# KiCad board MQ Breakout.kicad_pcb (continued)
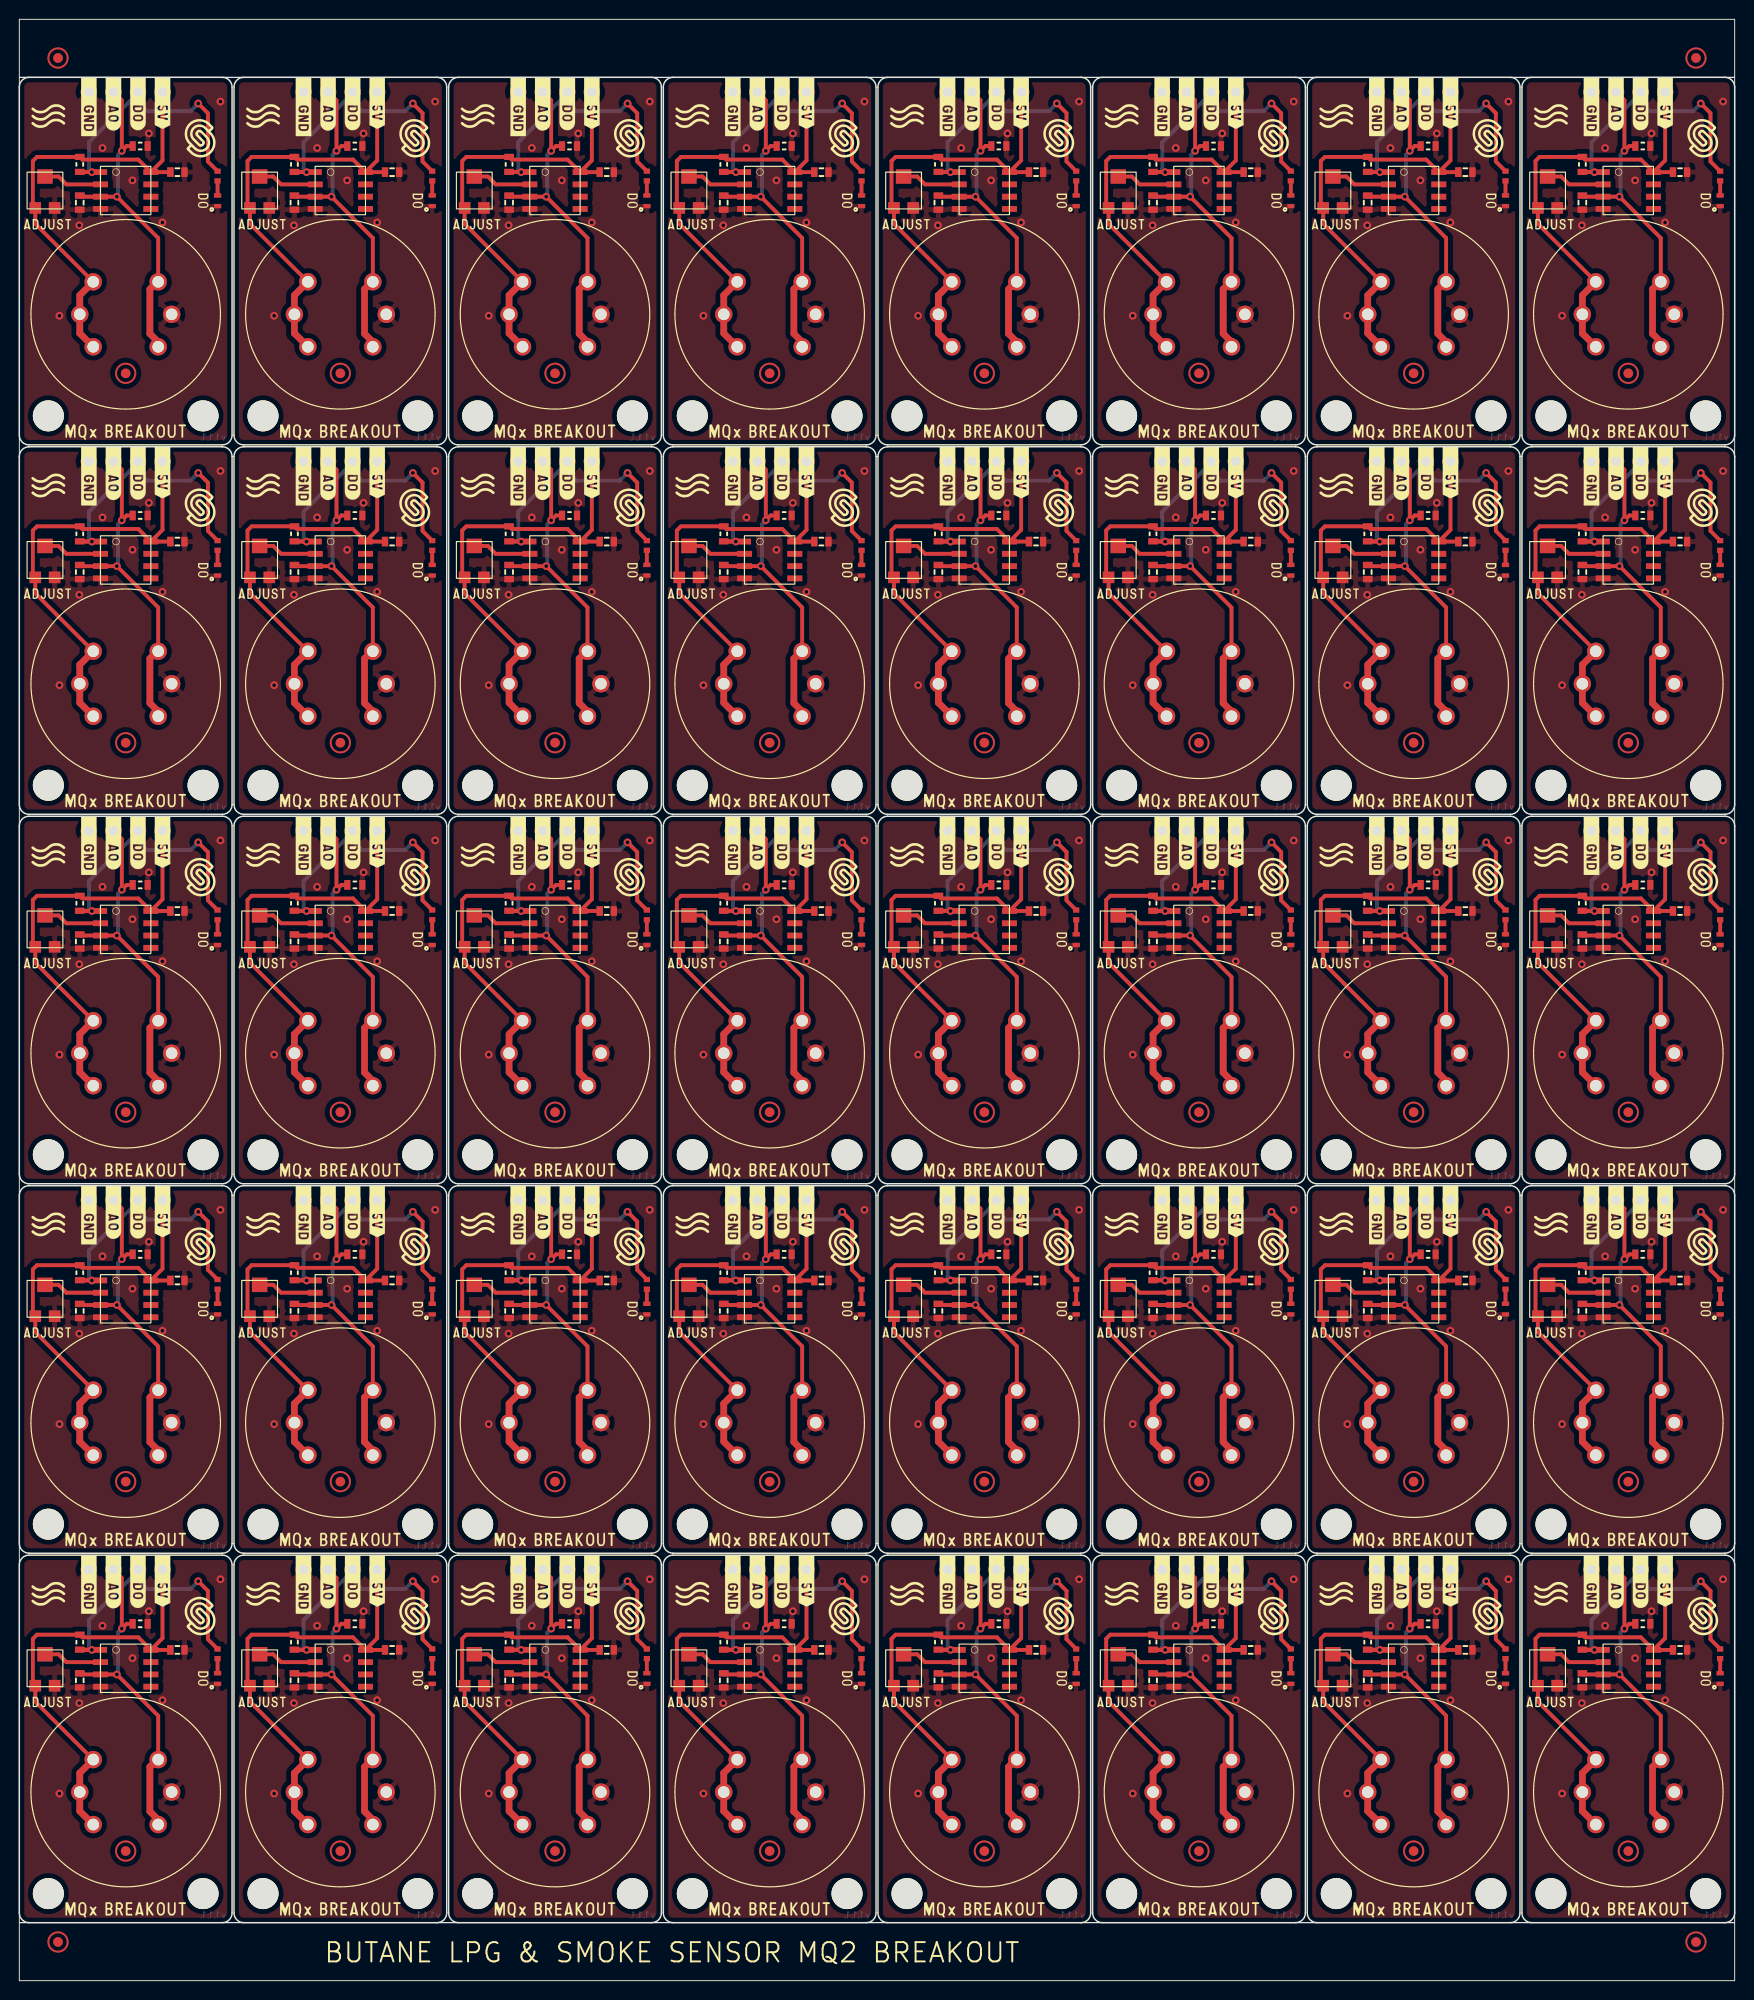
[diagram p0: board, top side]
## Placement (name value [footprint] x y rotation side) (continued)
U1#34  MQ-X  [MQ]  166.4 95.9 0 top
U1#35  MQ-X  [MQ]  11 172.3 0 top
U1#36  MQ-X  [MQ]  77.6 134.1 0 top
U1#37  MQ-X  [MQ]  99.8 134.1 0 top
U1#38  MQ-X  [MQ]  99.8 95.9 0 top
U1#39  MQ-X  [MQ]  144.2 19.5 0 top
U1#40  MQ-X  [MQ]  11 95.9 0 top
U2  LM393  [SOIC−8]  77.6 70.5 0 top
U2#2  LM393  [SOIC−8]  55.4 32.3 0 top
U2#3  LM393  [SOIC−8]  55.4 70.5 0 top
U2#4  LM393  [SOIC−8]  11 146.9 0 top
U2#5  LM393  [SOIC−8]  166.4 108.7 0 top
U2#6  LM393  [SOIC−8]  33.2 185.1 0 top
U2#7  LM393  [SOIC−8]  144.2 70.5 0 top
U2#8  LM393  [SOIC−8]  166.4 146.9 0 top
U2#9  LM393  [SOIC−8]  33.2 146.9 0 top
U2#10  LM393  [SOIC−8]  33.2 32.3 0 top
U2#11  LM393  [SOIC−8]  77.6 32.3 0 top
U2#12  LM393  [SOIC−8]  166.4 70.5 0 top
U2#13  LM393  [SOIC−8]  55.4 185.1 0 top
U2#14  LM393  [SOIC−8]  122 146.9 0 top
U2#15  LM393  [SOIC−8]  77.6 108.7 0 top
U2#16  LM393  [SOIC−8]  144.2 185.1 0 top
U2#17  LM393  [SOIC−8]  122 70.5 0 top
U2#18  LM393  [SOIC−8]  11 185.1 0 top
U2#19  LM393  [SOIC−8]  144.2 108.7 0 top
U2#20  LM393  [SOIC−8]  55.4 146.9 0 top
U2#21  LM393  [SOIC−8]  33.2 70.5 0 top
U2#22  LM393  [SOIC−8]  99.8 146.9 0 top
U2#23  LM393  [SOIC−8]  77.6 146.9 0 top
U2#24  LM393  [SOIC−8]  11 70.5 0 top
U2#25  LM393  [SOIC−8]  144.2 146.9 0 top
U2#26  LM393  [SOIC−8]  122 108.7 0 top
U2#27  LM393  [SOIC−8]  166.4 185.1 0 top
U2#28  LM393  [SOIC−8]  99.8 108.7 0 top
U2#29  LM393  [SOIC−8]  99.8 70.5 0 top
U2#30  LM393  [SOIC−8]  99.8 185.1 0 top
U2#31  LM393  [SOIC−8]  166.4 32.3 0 top
U2#32  LM393  [SOIC−8]  122 32.3 0 top
U2#33  LM393  [SOIC−8]  77.6 185.1 0 top
U2#34  LM393  [SOIC−8]  144.2 32.3 0 top
U2#35  LM393  [SOIC−8]  122 185.1 0 top
U2#36  LM393  [SOIC−8]  99.8 32.3 0 top
U2#37  LM393  [SOIC−8]  33.2 108.7 0 top
U2#38  LM393  [SOIC−8]  11 108.7 0 top
U2#39  LM393  [SOIC−8]  55.4 108.7 0 top
U2#40  LM393  [SOIC−8]  11 32.3 0 top

## Library data of the parts
D1 D1#2-D1#40 = -: Package: 0402

## Footprints (pads in the part's own frame, mm; a bottom-side part is the same pattern mirrored in y, then rotated)
0402LED
  rect 0.45x0.75 smd: 1(-0.55,0) 2(0.55,0)
0402R
  rect 0.54x0.64 smd: 1(-0.5,0) 2(0.5,0)
0603C
  rect 0.66x1 smd: 1(-0.73,0) 2(0.73,0)
0603R
  rect 0.64x1 smd: 1(-0.775,0) 2(0.775,0)
FIDUCIAL_23
  round 1 smd: 1(0,0)
HEADER_MALE_4X1
  round 1.7 hole 1: 1(-3.81,0) 2(-1.27,0) 3(1.27,0) 4(3.81,0)
HOLE_3.2mm
  round 3.2 hole 3.2 unplated: (0,0)
MQ
  round 1.8 hole 1.2: 1(-3.359,3.359) 2(-4.75,0) 3(-3.359,-3.359) 4(3.359,-3.359) 5(4.75,0) 6(3.359,3.359)
SOIC−8
  rect 1.55x0.6 smd: 1(-2.7,1.905) 2(-2.6,0.635) 3(-2.6,-0.635) 4(-2.6,-1.905) 5(2.6,-1.905) 6(2.6,-0.635) 7(2.6,0.635) 8(2.6,1.905)
tc33x-2-103e
  rect 1.2x1.2 smd: 1(-1,-1.8) 3(1,-1.8)
  rect 1.6x1.5 smd: 2(0,1.45)

## Nets
5V: C2.2 C2#2.2 C2#3.2 C2#4.2 C2#5.2 C2#6.2 C2#7.2 C2#8.2 C2#9.2 C2#10.2 C2#11.2 C2#12.2 C2#13.2 C2#14.2 C2#15.2 C2#16.2 C2#17.2 C2#18.2 C2#19.2 C2#20.2 C2#21.2 C2#22.2 C2#23.2 C2#24.2 C2#25.2 C2#26.2 C2#27.2 C2#28.2 C2#29.2 C2#30.2 C2#31.2 C2#32.2 C2#33.2 C2#34.2 C2#35.2 C2#36.2 C2#37.2 C2#38.2 C2#39.2 C2#40.2 K1.4 K1#2.4 K1#3.4 K1#4.4 K1#5.4 K1#6.4 K1#7.4 K1#8.4 K1#9.4 K1#10.4 K1#11.4 K1#12.4 K1#13.4 K1#14.4 K1#15.4 K1#16.4 K1#17.4 K1#18.4 K1#19.4 K1#20.4 K1#21.4 K1#22.4 K1#23.4 K1#24.4 K1#25.4 K1#26.4 K1#27.4 K1#28.4 K1#29.4 K1#30.4 K1#31.4 K1#32.4 K1#33.4 K1#34.4 K1#35.4 K1#36.4 K1#37.4 K1#38.4 K1#39.4 K1#40.4 R2.1 R2#2.1 R2#3.1 R2#4.1 R2#5.1 R2#6.1 R2#7.1 R2#8.1 R2#9.1 R2#10.1 R2#11.1 R2#12.1 R2#13.1 R2#14.1 R2#15.1 R2#16.1 R2#17.1 R2#18.1 R2#19.1 R2#20.1 R2#21.1 R2#22.1 R2#23.1 R2#24.1 R2#25.1 R2#26.1 R2#27.1 R2#28.1 R2#29.1 R2#30.1 R2#31.1 R2#32.1 R2#33.1 R2#34.1 R2#35.1 R2#36.1 R2#37.1 R2#38.1 R2#39.1 R2#40.1 R3.2 R3#2.2 R3#3.2 R3#4.2 R3#5.2 R3#6.2 R3#7.2 R3#8.2 R3#9.2 R3#10.2 R3#11.2 R3#12.2 R3#13.2 R3#14.2 R3#15.2 R3#16.2 R3#17.2 R3#18.2 R3#19.2 R3#20.2 R3#21.2 R3#22.2 R3#23.2 R3#24.2 R3#25.2 R3#26.2 R3#27.2 R3#28.2 R3#29.2 R3#30.2 R3#31.2 R3#32.2 R3#33.2 R3#34.2 R3#35.2 R3#36.2 R3#37.2 R3#38.2 R3#39.2 R3#40.2 U1.1 U1.2 U1.3 U1#2.1 U1#2.2 U1#2.3 U1#3.1 U1#3.2 U1#3.3 U1#4.1 U1#4.2 U1#4.3 U1#5.1 U1#5.2 U1#5.3 U1#6.1 U1#6.2 U1#6.3 U1#7.1 U1#7.2 U1#7.3 U1#8.1 U1#8.2 U1#8.3 U1#9.1 U1#9.2 U1#9.3 U1#10.1 U1#10.2 U1#10.3 U1#11.1 U1#11.2 U1#11.3 U1#12.1 U1#12.2 U1#12.3 U1#13.1 U1#13.2 U1#13.3 U1#14.1 U1#14.2 U1#14.3 U1#15.1 U1#15.2 U1#15.3 U1#16.1 U1#16.2 U1#16.3 U1#17.1 U1#17.2 U1#17.3 U1#18.1 U1#18.2 U1#18.3 U1#19.1 U1#19.2 U1#19.3 U1#20.1 U1#20.2 U1#20.3 U1#21.1 U1#21.2 U1#21.3 U1#22.1 U1#22.2 U1#22.3 U1#23.1 U1#23.2 U1#23.3 U1#24.1 U1#24.2 U1#24.3 U1#25.1 U1#25.2 U1#25.3 U1#26.1 U1#26.2 U1#26.3 U1#27.1 U1#27.2 U1#27.3 U1#28.1 U1#28.2 U1#28.3 U1#29.1 U1#29.2 U1#29.3 U1#30.1 U1#30.2 U1#30.3 U1#31.1 U1#31.2 U1#31.3 U1#32.1 U1#32.2 U1#32.3 U1#33.1 U1#33.2 U1#33.3 U1#34.1 U1#34.2 U1#34.3 U1#35.1 U1#35.2 U1#35.3 U1#36.1 U1#36.2 U1#36.3 U1#37.1 U1#37.2 U1#37.3 U1#38.1 U1#38.2 U1#38.3 U1#39.1 U1#39.2 U1#39.3 U1#40.1 U1#40.2 U1#40.3 U2.8 U2#2.8 U2#3.8 U2#4.8 U2#5.8 U2#6.8 U2#7.8 U2#8.8 U2#9.8 U2#10.8 U2#11.8 U2#12.8 U2#13.8 U2#14.8 U2#15.8 U2#16.8 U2#17.8 U2#18.8 U2#19.8 U2#20.8 U2#21.8 U2#22.8 U2#23.8 U2#24.8 U2#25.8 U2#26.8 U2#27.8 U2#28.8 U2#29.8 U2#30.8 U2#31.8 U2#32.8 U2#33.8 U2#34.8 U2#35.8 U2#36.8 U2#37.8 U2#38.8 U2#39.8 U2#40.8
GND: C1.1 C1#2.1 C1#3.1 C1#4.1 C1#5.1 C1#6.1 C1#7.1 C1#8.1 C1#9.1 C1#10.1 C1#11.1 C1#12.1 C1#13.1 C1#14.1 C1#15.1 C1#16.1 C1#17.1 C1#18.1 C1#19.1 C1#20.1 C1#21.1 C1#22.1 C1#23.1 C1#24.1 C1#25.1 C1#26.1 C1#27.1 C1#28.1 C1#29.1 C1#30.1 C1#31.1 C1#32.1 C1#33.1 C1#34.1 C1#35.1 C1#36.1 C1#37.1 C1#38.1 C1#39.1 C1#40.1 C2.1 C2#2.1 C2#3.1 C2#4.1 C2#5.1 C2#6.1 C2#7.1 C2#8.1 C2#9.1 C2#10.1 C2#11.1 C2#12.1 C2#13.1 C2#14.1 C2#15.1 C2#16.1 C2#17.1 C2#18.1 C2#19.1 C2#20.1 C2#21.1 C2#22.1 C2#23.1 C2#24.1 C2#25.1 C2#26.1 C2#27.1 C2#28.1 C2#29.1 C2#30.1 C2#31.1 C2#32.1 C2#33.1 C2#34.1 C2#35.1 C2#36.1 C2#37.1 C2#38.1 C2#39.1 C2#40.1 D1.2 D1#2.2 D1#3.2 D1#4.2 D1#5.2 D1#6.2 D1#7.2 D1#8.2 D1#9.2 D1#10.2 D1#11.2 D1#12.2 D1#13.2 D1#14.2 D1#15.2 D1#16.2 D1#17.2 D1#18.2 D1#19.2 D1#20.2 D1#21.2 D1#22.2 D1#23.2 D1#24.2 D1#25.2 D1#26.2 D1#27.2 D1#28.2 D1#29.2 D1#30.2 D1#31.2 D1#32.2 D1#33.2 D1#34.2 D1#35.2 D1#36.2 D1#37.2 D1#38.2 D1#39.2 D1#40.2 K1.1 K1#2.1 K1#3.1 K1#4.1 K1#5.1 K1#6.1 K1#7.1 K1#8.1 K1#9.1 K1#10.1 K1#11.1 K1#12.1 K1#13.1 K1#14.1 K1#15.1 K1#16.1 K1#17.1 K1#18.1 K1#19.1 K1#20.1 K1#21.1 K1#22.1 K1#23.1 K1#24.1 K1#25.1 K1#26.1 K1#27.1 K1#28.1 K1#29.1 K1#30.1 K1#31.1 K1#32.1 K1#33.1 K1#34.1 K1#35.1 K1#36.1 K1#37.1 K1#38.1 K1#39.1 K1#40.1 R1.1 R1#2.1 R1#3.1 R1#4.1 R1#5.1 R1#6.1 R1#7.1 R1#8.1 R1#9.1 R1#10.1 R1#11.1 R1#12.1 R1#13.1 R1#14.1 R1#15.1 R1#16.1 R1#17.1 R1#18.1 R1#19.1 R1#20.1 R1#21.1 R1#22.1 R1#23.1 R1#24.1 R1#25.1 R1#26.1 R1#27.1 R1#28.1 R1#29.1 R1#30.1 R1#31.1 R1#32.1 R1#33.1 R1#34.1 R1#35.1 R1#36.1 R1#37.1 R1#38.1 R1#39.1 R1#40.1 R2.3 R2#2.3 R2#3.3 R2#4.3 R2#5.3 R2#6.3 R2#7.3 R2#8.3 R2#9.3 R2#10.3 R2#11.3 R2#12.3 R2#13.3 R2#14.3 R2#15.3 R2#16.3 R2#17.3 R2#18.3 R2#19.3 R2#20.3 R2#21.3 R2#22.3 R2#23.3 R2#24.3 R2#25.3 R2#26.3 R2#27.3 R2#28.3 R2#29.3 R2#30.3 R2#31.3 R2#32.3 R2#33.3 R2#34.3 R2#35.3 R2#36.3 R2#37.3 R2#38.3 R2#39.3 R2#40.3 U1.5 U1#2.5 U1#3.5 U1#4.5 U1#5.5 U1#6.5 U1#7.5 U1#8.5 U1#9.5 U1#10.5 U1#11.5 U1#12.5 U1#13.5 U1#14.5 U1#15.5 U1#16.5 U1#17.5 U1#18.5 U1#19.5 U1#20.5 U1#21.5 U1#22.5 U1#23.5 U1#24.5 U1#25.5 U1#26.5 U1#27.5 U1#28.5 U1#29.5 U1#30.5 U1#31.5 U1#32.5 U1#33.5 U1#34.5 U1#35.5 U1#36.5 U1#37.5 U1#38.5 U1#39.5 U1#40.5 U2.4 U2#2.4 U2#3.4 U2#4.4 U2#5.4 U2#6.4 U2#7.4 U2#8.4 U2#9.4 U2#10.4 U2#11.4 U2#12.4 U2#13.4 U2#14.4 U2#15.4 U2#16.4 U2#17.4 U2#18.4 U2#19.4 U2#20.4 U2#21.4 U2#22.4 U2#23.4 U2#24.4 U2#25.4 U2#26.4 U2#27.4 U2#28.4 U2#29.4 U2#30.4 U2#31.4 U2#32.4 U2#33.4 U2#34.4 U2#35.4 U2#36.4 U2#37.4 U2#38.4 U2#39.4 U2#40.4
AO: C1.2 C1#2.2 C1#3.2 C1#4.2 C1#5.2 C1#6.2 C1#7.2 C1#8.2 C1#9.2 C1#10.2 C1#11.2 C1#12.2 C1#13.2 C1#14.2 C1#15.2 C1#16.2 C1#17.2 C1#18.2 C1#19.2 C1#20.2 C1#21.2 C1#22.2 C1#23.2 C1#24.2 C1#25.2 C1#26.2 C1#27.2 C1#28.2 C1#29.2 C1#30.2 C1#31.2 C1#32.2 C1#33.2 C1#34.2 C1#35.2 C1#36.2 C1#37.2 C1#38.2 C1#39.2 C1#40.2 K1.2 K1#2.2 K1#3.2 K1#4.2 K1#5.2 K1#6.2 K1#7.2 K1#8.2 K1#9.2 K1#10.2 K1#11.2 K1#12.2 K1#13.2 K1#14.2 K1#15.2 K1#16.2 K1#17.2 K1#18.2 K1#19.2 K1#20.2 K1#21.2 K1#22.2 K1#23.2 K1#24.2 K1#25.2 K1#26.2 K1#27.2 K1#28.2 K1#29.2 K1#30.2 K1#31.2 K1#32.2 K1#33.2 K1#34.2 K1#35.2 K1#36.2 K1#37.2 K1#38.2 K1#39.2 K1#40.2 R1.2 R1#2.2 R1#3.2 R1#4.2 R1#5.2 R1#6.2 R1#7.2 R1#8.2 R1#9.2 R1#10.2 R1#11.2 R1#12.2 R1#13.2 R1#14.2 R1#15.2 R1#16.2 R1#17.2 R1#18.2 R1#19.2 R1#20.2 R1#21.2 R1#22.2 R1#23.2 R1#24.2 R1#25.2 R1#26.2 R1#27.2 R1#28.2 R1#29.2 R1#30.2 R1#31.2 R1#32.2 R1#33.2 R1#34.2 R1#35.2 R1#36.2 R1#37.2 R1#38.2 R1#39.2 R1#40.2 U1.4 U1.6 U1#2.4 U1#2.6 U1#3.4 U1#3.6 U1#4.4 U1#4.6 U1#5.4 U1#5.6 U1#6.4 U1#6.6 U1#7.4 U1#7.6 U1#8.4 U1#8.6 U1#9.4 U1#9.6 U1#10.4 U1#10.6 U1#11.4 U1#11.6 U1#12.4 U1#12.6 U1#13.4 U1#13.6 U1#14.4 U1#14.6 U1#15.4 U1#15.6 U1#16.4 U1#16.6 U1#17.4 U1#17.6 U1#18.4 U1#18.6 U1#19.4 U1#19.6 U1#20.4 U1#20.6 U1#21.4 U1#21.6 U1#22.4 U1#22.6 U1#23.4 U1#23.6 U1#24.4 U1#24.6 U1#25.4 U1#25.6 U1#26.4 U1#26.6 U1#27.4 U1#27.6 U1#28.4 U1#28.6 U1#29.4 U1#29.6 U1#30.4 U1#30.6 U1#31.4 U1#31.6 U1#32.4 U1#32.6 U1#33.4 U1#33.6 U1#34.4 U1#34.6 U1#35.4 U1#35.6 U1#36.4 U1#36.6 U1#37.4 U1#37.6 U1#38.4 U1#38.6 U1#39.4 U1#39.6 U1#40.4 U1#40.6 U2.3 U2#2.3 U2#3.3 U2#4.3 U2#5.3 U2#6.3 U2#7.3 U2#8.3 U2#9.3 U2#10.3 U2#11.3 U2#12.3 U2#13.3 U2#14.3 U2#15.3 U2#16.3 U2#17.3 U2#18.3 U2#19.3 U2#20.3 U2#21.3 U2#22.3 U2#23.3 U2#24.3 U2#25.3 U2#26.3 U2#27.3 U2#28.3 U2#29.3 U2#30.3 U2#31.3 U2#32.3 U2#33.3 U2#34.3 U2#35.3 U2#36.3 U2#37.3 U2#38.3 U2#39.3 U2#40.3
D0: K1.3 K1#2.3 K1#3.3 K1#4.3 K1#5.3 K1#6.3 K1#7.3 K1#8.3 K1#9.3 K1#10.3 K1#11.3 K1#12.3 K1#13.3 K1#14.3 K1#15.3 K1#16.3 K1#17.3 K1#18.3 K1#19.3 K1#20.3 K1#21.3 K1#22.3 K1#23.3 K1#24.3 K1#25.3 K1#26.3 K1#27.3 K1#28.3 K1#29.3 K1#30.3 K1#31.3 K1#32.3 K1#33.3 K1#34.3 K1#35.3 K1#36.3 K1#37.3 K1#38.3 K1#39.3 K1#40.3 R3.1 R3#2.1 R3#3.1 R3#4.1 R3#5.1 R3#6.1 R3#7.1 R3#8.1 R3#9.1 R3#10.1 R3#11.1 R3#12.1 R3#13.1 R3#14.1 R3#15.1 R3#16.1 R3#17.1 R3#18.1 R3#19.1 R3#20.1 R3#21.1 R3#22.1 R3#23.1 R3#24.1 R3#25.1 R3#26.1 R3#27.1 R3#28.1 R3#29.1 R3#30.1 R3#31.1 R3#32.1 R3#33.1 R3#34.1 R3#35.1 R3#36.1 R3#37.1 R3#38.1 R3#39.1 R3#40.1 R4.1 R4#2.1 R4#3.1 R4#4.1 R4#5.1 R4#6.1 R4#7.1 R4#8.1 R4#9.1 R4#10.1 R4#11.1 R4#12.1 R4#13.1 R4#14.1 R4#15.1 R4#16.1 R4#17.1 R4#18.1 R4#19.1 R4#20.1 R4#21.1 R4#22.1 R4#23.1 R4#24.1 R4#25.1 R4#26.1 R4#27.1 R4#28.1 R4#29.1 R4#30.1 R4#31.1 R4#32.1 R4#33.1 R4#34.1 R4#35.1 R4#36.1 R4#37.1 R4#38.1 R4#39.1 R4#40.1 U2.1 U2#2.1 U2#3.1 U2#4.1 U2#5.1 U2#6.1 U2#7.1 U2#8.1 U2#9.1 U2#10.1 U2#11.1 U2#12.1 U2#13.1 U2#14.1 U2#15.1 U2#16.1 U2#17.1 U2#18.1 U2#19.1 U2#20.1 U2#21.1 U2#22.1 U2#23.1 U2#24.1 U2#25.1 U2#26.1 U2#27.1 U2#28.1 U2#29.1 U2#30.1 U2#31.1 U2#32.1 U2#33.1 U2#34.1 U2#35.1 U2#36.1 U2#37.1 U2#38.1 U2#39.1 U2#40.1
POT: R2.2 R2#2.2 R2#3.2 R2#4.2 R2#5.2 R2#6.2 R2#7.2 R2#8.2 R2#9.2 R2#10.2 R2#11.2 R2#12.2 R2#13.2 R2#14.2 R2#15.2 R2#16.2 R2#17.2 R2#18.2 R2#19.2 R2#20.2 R2#21.2 R2#22.2 R2#23.2 R2#24.2 R2#25.2 R2#26.2 R2#27.2 R2#28.2 R2#29.2 R2#30.2 R2#31.2 R2#32.2 R2#33.2 R2#34.2 R2#35.2 R2#36.2 R2#37.2 R2#38.2 R2#39.2 R2#40.2 U2.2 U2#2.2 U2#3.2 U2#4.2 U2#5.2 U2#6.2 U2#7.2 U2#8.2 U2#9.2 U2#10.2 U2#11.2 U2#12.2 U2#13.2 U2#14.2 U2#15.2 U2#16.2 U2#17.2 U2#18.2 U2#19.2 U2#20.2 U2#21.2 U2#22.2 U2#23.2 U2#24.2 U2#25.2 U2#26.2 U2#27.2 U2#28.2 U2#29.2 U2#30.2 U2#31.2 U2#32.2 U2#33.2 U2#34.2 U2#35.2 U2#36.2 U2#37.2 U2#38.2 U2#39.2 U2#40.2
Net-(D1-Pad1): D1.1 D1#2.1 D1#3.1 D1#4.1 D1#5.1 D1#6.1 D1#7.1 D1#8.1 D1#9.1 D1#10.1 D1#11.1 D1#12.1 D1#13.1 D1#14.1 D1#15.1 D1#16.1 D1#17.1 D1#18.1 D1#19.1 D1#20.1 D1#21.1 D1#22.1 D1#23.1 D1#24.1 D1#25.1 D1#26.1 D1#27.1 D1#28.1 D1#29.1 D1#30.1 D1#31.1 D1#32.1 D1#33.1 D1#34.1 D1#35.1 D1#36.1 D1#37.1 D1#38.1 D1#39.1 D1#40.1 R4.2 R4#2.2 R4#3.2 R4#4.2 R4#5.2 R4#6.2 R4#7.2 R4#8.2 R4#9.2 R4#10.2 R4#11.2 R4#12.2 R4#13.2 R4#14.2 R4#15.2 R4#16.2 R4#17.2 R4#18.2 R4#19.2 R4#20.2 R4#21.2 R4#22.2 R4#23.2 R4#24.2 R4#25.2 R4#26.2 R4#27.2 R4#28.2 R4#29.2 R4#30.2 R4#31.2 R4#32.2 R4#33.2 R4#34.2 R4#35.2 R4#36.2 R4#37.2 R4#38.2 R4#39.2 R4#40.2

Pads without a net: FD1 1; FD1#2 1; FD1#3 1; FD1#4 1; FD1#5 1; FD1#6 1; FD1#7 1; FD1#8 1; FD1#9 1; FD1#10 1; FD1#11 1; FD1#12 1; FD1#13 1; FD1#14 1; FD1#15 1; FD1#16 1; FD1#17 1; FD1#18 1; FD1#19 1; FD1#20 1; FD1#21 1; FD1#22 1; FD1#23 1; FD1#24 1; FD1#25 1; FD1#26 1; FD1#27 1; FD1#28 1; FD1#29 1; FD1#30 1; FD1#31 1; FD1#32 1; FD1#33 1; FD1#34 1; FD1#35 1; FD1#36 1; FD1#37 1; FD1#38 1; FD1#39 1; FD1#40 1; FD1#41 1; FD1#42 1; FD1#43 1; FD1#44 1; U2 5 6 7; U2#2 5 6 7; U2#3 5 6 7; U2#4 5 6 7; U2#5 5 6 7; U2#6 5 6 7; U2#7 5 6 7; U2#8 5 6 7; U2#9 5 6 7; U2#10 5 6 7; U2#11 5 6 7; U2#12 5 6 7; U2#13 5 6 7; U2#14 5 6 7; U2#15 5 6 7; U2#16 5 6 7; U2#17 5 6 7; U2#18 5 6 7; U2#19 5 6 7; U2#20 5 6 7; U2#21 5 6 7; U2#22 5 6 7; U2#23 5 6 7; U2#24 5 6 7; U2#25 5 6 7; U2#26 5 6 7; U2#27 5 6 7; U2#28 5 6 7; U2#29 5 6 7; U2#30 5 6 7; U2#31 5 6 7; U2#32 5 6 7; U2#33 5 6 7; U2#34 5 6 7; U2#35 5 6 7; U2#36 5 6 7; U2#37 5 6 7; U2#38 5 6 7; U2#39 5 6 7; U2#40 5 6 7

## Via types
v1: diameter 0.8, hole 0.4, Top to Bottom, 440 vias

## Routing (per net, layer and track width the routed paths; a pad name or vN(x,y) marks a point on that pad's centre or on a via; arc(x,y) is an arc through that point)
5V: length 1871.6
  Top w0.4: C2.2 102.41,187 U2#30.8 ; U2#19.8 148.01,111.81 K1#4.4 ; U2#19.8 146.81,110.6 C2#34.2 ; U2#19.8 145.51,111.9 139.73,111.9 R3#24.2 135.03,112.17 134.6,111.75 134.6,107.15 R2#32.1 134.85,105.25 U1#17.1 ; U2#27.8 170.21,188.22 K1#26.4 ; U2#27.8 169.01,187 C2#24.2 ; U2#27.8 167.71,188.3 161.93,188.3 R3#20.2 157.23,188.57 156.8,188.15 156.8,183.55 R2#25.1 157.05,181.65 U1#11.1 ; K1#23.4 59.21,73.61 U2#3.8 ; K1#31.4 37.01,111.81 U2#37.8 ; U2#37.8 35.81,110.6 C2#39.2 ; U2#37.8 34.51,111.9 28.73,111.9 R3#17.2 24.03,112.17 23.6,111.75 23.6,107.15 R2#20.1 23.85,105.25 U1#18.1 ; U2#9.8 37.01,150.01 K1#10.4 ; U2#9.8 35.81,148.8 C2#16.2 ; U2#9.8 34.51,150.1 28.73,150.1 R3#28.2 24.03,150.38 23.6,149.95 23.6,145.35 R2#26.1 23.85,143.45 U1#13.1 ; U2#34.8 146.81,34.2 C2#36.2 ; U2#34.8 145.51,35.5 139.73,35.5 R3#36.2 135.03,35.78 134.6,35.35 134.6,30.75 R2#34.1 134.85,28.85 U1#39.1 ; U2#34.8 148.01,35.41 K1#6.4 ; U1#10.1 23.85,67.05 R2#36.1 23.6,68.95 23.6,73.55 24.03,73.97 R3#15.2 28.73,73.7 34.51,73.7 U2#21.8 ; U2#4.8 12.31,150.1 6.53,150.1 R3#26.2 1.83,150.38 1.4,149.95 1.4,145.35 R2#21.1 1.65,143.45 U1#12.1 ; U2#4.8 13.61,148.8 C2#4.2 ; U2#4.8 14.81,150.01 K1.4 ; U1#4.1 68.25,67.05 R2#28.1 68,68.95 68,73.55 68.43,73.97 R3#40.2 73.13,73.7 78.91,73.7 U2.8 ; K1#29.4 148.01,150.01 U2#25.8 ; U2#5.8 167.71,111.9 161.93,111.9 R3#38.2 157.23,112.17 156.8,111.75 156.8,107.15 R2#5.1 157.05,105.25 U1#34.1 ; U2#5.8 170.21,111.81 K1#27.4 ; U2#5.8 169.01,110.6 C2#32.2 ; U1#16.1 112.65,67.05 R2#29.1 112.4,68.95 112.4,73.55 112.83,73.97 R3#19.2 117.53,73.7 123.31,73.7 U2#17.8 ; U2#33.8 81.41,188.22 K1#18.4 ; U2#33.8 80.21,187 C2#30.2 ; U2#33.8 78.91,188.3 73.13,188.3 R3#18.2 68.43,188.57 68,188.15 68,183.55 R2#14.1 68.25,181.65 U1#25.1 ; U1#19.1 90.45,28.85 R2#15.1 90.2,30.75 90.2,35.35 90.63,35.78 R3#12.2 95.33,35.5 101.11,35.5 U2#36.8 ; U1#32.1 46.05,143.45 R2.1 45.8,145.35 45.8,149.95 46.23,150.38 R3#35.2 50.93,150.1 56.71,150.1 U2#20.8 ; U2#28.8 101.11,111.9 95.33,111.9 R3#10.2 90.63,112.17 90.2,111.75 90.2,107.15 R2#22.1 90.45,105.25 U1#38.1 ; U2#28.8 102.41,110.6 C2#25.2 ; U2#28.8 103.61,111.81 K1#35.4 ; U1#24.1 112.65,143.45 R2#12.1 112.4,145.35 112.4,149.95 112.83,150.38 R3#4.2 117.53,150.1 123.31,150.1 U2#14.8 ; U2#17.8 124.61,72.4 C2#18.2 ; U2#17.8 125.81,73.61 K1#25.4 ; U1#23.1 112.65,181.65 R2#31.1 112.4,183.55 112.4,188.15 112.83,188.57 R3#14.2 117.53,188.3 123.31,188.3 U2#35.8 ; U2#12.8 170.21,73.61 K1#2.4 ; U2#12.8 169.01,72.4 C2#2.2 ; U2#12.8 167.71,73.7 161.93,73.7 R3#22.2 157.23,73.97 156.8,73.55 156.8,68.95 R2#23.1 157.05,67.05 U1#20.1 ; U2#39.8 56.71,111.9 50.93,111.9 R3#32.2 46.23,112.17 45.8,111.75 45.8,107.15 R2#40.1 46.05,105.25 U1#8.1 ; U2#39.8 58.01,110.6 C2#38.2 ; U2#39.8 59.21,111.81 K1#16.4 ; U1#14.1 90.45,181.65 R2#18.1 90.2,183.55 90.2,188.15 90.63,188.57 R3#21.2 95.33,188.3 101.11,188.3 U2#30.8 ; U2#21.8 35.81,72.4 C2#22.2 ; U2#21.8 37.01,73.61 K1#36.4 ; K1#8.4 103.61,73.61 U2#29.8 ; U2#36.8 103.61,35.41 K1#39.4 ; U2#36.8 102.41,34.2 C2#6.2 ; U1.1 46.05,181.65 R2#17.1 45.8,183.55 45.8,188.15 46.23,188.57 R3#7.2 50.93,188.3 56.71,188.3 U2#13.8 ; C2#17.2 58.01,148.8 U2#20.8 ; U2#38.8 14.81,111.81 K1#22.4 ; U2#38.8 12.31,111.9 6.53,111.9 R3#8.2 1.83,112.17 1.4,111.75 1.4,107.15 R2#8.1 1.65,105.25 U1#40.1 ; U2#38.8 13.61,110.6 C2#23.2 ; U1#31.1 134.85,143.45 R2#35.1 134.6,145.35 134.6,149.95 135.03,150.38 R3#2.2 139.73,150.1 145.51,150.1 U2#25.8 ; C2#3.2 35.81,34.2 U2#10.8 ; U1#3.1 68.25,28.85 R2#4.1 68,30.75 68,35.35 68.43,35.78 R3.2 73.13,35.5 78.91,35.5 U2#11.8 ; U2#20.8 59.21,150.01 K1#5.4 ; C2#14.2 80.21,34.2 U2#11.8 ; C2#8.2 102.41,72.4 U2#29.8 ; U2#2.8 56.71,35.5 50.93,35.5 R3#33.2 46.23,35.78 45.8,35.35 45.8,30.75 R2#7.1 46.05,28.85 U1#7.1 ; U2#2.8 59.21,35.41 K1#21.4 ; U2#2.8 58.01,34.2 C2#27.2 ; U2#6.8 37.01,188.22 K1#7.4 ; U2#6.8 34.51,188.3 28.73,188.3 R3#3.2 24.03,188.57 23.6,188.15 23.6,183.55 R2#2.1 23.85,181.65 U1#27.1 ; U2#6.8 35.81,187 C2#19.2 ; U1#15.1 112.65,105.25 R2#11.1 112.4,107.15 112.4,111.75 112.83,112.17 R3#27.2 117.53,111.9 123.31,111.9 U2#26.8 ; U2#22.8 102.41,148.8 C2#15.2 ; U2#22.8 101.11,150.1 95.33,150.1 R3#29.2 90.63,150.38 90.2,149.95 90.2,145.35 R2#13.1 90.45,143.45 U1#37.1 ; U2#22.8 103.61,150.01 K1#11.4 ; U2#32.8 125.81,35.41 K1#9.4 ; U2#32.8 123.31,35.5 117.53,35.5 R3#39.2 112.83,35.78 112.4,35.35 112.4,30.75 R2#27.1 112.65,28.85 U1#21.1 ; U2#32.8 124.61,34.2 C2#26.2 ; K1#40.4 81.41,35.41 U2#11.8 ; C2#11.2 124.61,187 U2#35.8 ; U2#40.8 14.81,35.41 K1#33.4 ; U2#40.8 13.61,34.2 C2#29.2 ; U2#40.8 12.31,35.5 6.53,35.5 R3#37.2 1.83,35.78 1.4,35.35 1.4,30.75 R2#10.1 1.65,28.85 U1#2.1 ; U1#6.1 134.85,67.05 R2#24.1 134.6,68.95 134.6,73.55 135.03,73.97 R3#13.2 139.73,73.7 145.51,73.7 U2#7.8 ; K1#20.4 148.01,73.61 U2#7.8 ; U2#26.8 124.61,110.6 C2#33.2 ; U2#26.8 125.81,111.81 K1#38.4 ; C2#35.2 169.01,148.8 U2#8.8 ; U1#30.1 1.65,67.05 R2#16.1 1.4,68.95 1.4,73.55 1.83,73.97 R3#9.2 6.53,73.7 12.31,73.7 U2#24.8 ; U2#14.8 125.81,150.01 K1#19.4 ; U2#14.8 124.61,148.8 C2#31.2 ; U2#18.8 14.81,188.22 K1#12.4 ; U2#18.8 12.31,188.3 6.53,188.3 R3#16.2 1.83,188.57 1.4,188.15 1.4,183.55 R2#37.1 1.65,181.65 U1#35.1 ; U2#18.8 13.61,187 C2#21.2 ; U2#35.8 125.81,188.22 K1#13.4 ; K1#28.4 103.61,188.22 U2#30.8 ; C2#37.2 80.21,72.4 U2.8 ; U1#22.1 134.85,181.65 R2#38.1 134.6,183.55 134.6,188.15 135.03,188.57 R3#11.2 139.73,188.3 145.51,188.3 U2#16.8 ; U2#31.8 170.21,35.41 K1#30.4 ; U2#31.8 169.01,34.2 C2#20.2 ; U2#31.8 167.71,35.5 161.93,35.5 R3#25.2 157.23,35.78 156.8,35.35 156.8,30.75 R2#33.1 157.05,28.85 U1#9.1 ; C2#13.2 80.21,148.8 U2#23.8 ; U2#29.8 101.11,73.7 95.33,73.7 R3#23.2 90.63,73.97 90.2,73.55 90.2,68.95 R2#6.1 90.45,67.05 U1#29.1 ; C2#10.2 58.01,187 U2#13.8 ; K1#15.4 81.41,73.61 U2.8 ; U2#15.8 78.91,111.9 73.13,111.9 R3#5.2 68.43,112.17 68,111.75 68,107.15 R2#30.1 68.25,105.25 U1#28.1 ; U2#15.8 80.21,110.6 C2#9.2 ; U2#15.8 81.41,111.81 K1#37.4 ; U2#7.8 146.81,72.4 C2#40.2 ; U1#26.1 157.05,143.45 R2#9.1 156.8,145.35 156.8,149.95 157.23,150.38 R3#34.2 161.93,150.1 167.71,150.1 U2#8.8 ; U2#24.8 14.81,73.61 K1#24.4 ; U2#24.8 13.61,72.4 C2#12.2 ; K1#14.4 81.41,150.01 U2#23.8 ; K1#34.4 170.21,150.01 U2#8.8 ; U2#16.8 146.81,187 C2#7.2 ; U2#16.8 148.01,188.22 K1#32.4 ; K1#3.4 59.21,188.22 U2#13.8 ; U1#5.1 23.85,28.85 R2#39.1 23.6,30.75 23.6,35.35 24.03,35.78 R3#6.2 28.73,35.5 34.51,35.5 U2#10.8 ; U2#23.8 78.91,150.1 73.13,150.1 R3#30.2 68.43,150.38 68,149.95 68,145.35 R2#19.1 68.25,143.45 U1#36.1 ; U2#3.8 56.71,73.7 50.93,73.7 R3#31.2 46.23,73.97 45.8,73.55 45.8,68.95 R2#3.1 46.05,67.05 U1#33.1 ; U2#3.8 58.01,72.4 C2#5.2 ; K1#17.4 37.01,35.41 U2#10.8 ; U2#25.8 146.81,148.8 C2#28.2
  Top w0.7: U1#38.3 95.05,93.93 95.05,97.87 U1#38.1 ; U1#11.1 161.65,174.27 161.65,170.33 U1#11.3 ; U1#13.1 28.45,136.07 28.45,132.13 U1#13.3 ; U1#31.1 139.45,136.07 139.45,132.13 U1#31.3 ; U1#22.3 139.45,170.33 139.45,174.27 U1#22.1 ; U1#17.3 139.45,93.93 139.45,97.87 U1#17.1 ; U1#29.3 95.05,55.73 95.05,59.67 U1#29.1 ; U1#33.1 50.65,59.67 50.65,55.73 U1#33.3 ; U1#21.1 117.25,21.47 117.25,17.53 U1#21.3 ; U1#16.1 117.25,59.67 117.25,55.73 U1#16.3 ; U1#39.3 139.45,17.53 139.45,21.47 U1#39.1 ; U1#2.1 6.25,21.47 6.25,17.53 U1#2.3 ; U1#5.3 28.45,17.53 28.45,21.47 U1#5.1 ; U1#40.1 6.25,97.87 6.25,93.93 U1#40.3 ; U1.1 50.65,174.27 50.65,170.33 U1.3 ; U1#30.1 6.25,59.67 6.25,55.73 U1#30.3 ; U1#23.1 117.25,174.27 117.25,170.33 U1#23.3 ; U1#35.1 6.25,174.27 6.25,170.33 U1#35.3 ; U1#28.3 72.85,93.93 72.85,97.87 U1#28.1 ; U1#34.3 161.65,93.93 161.65,97.87 U1#34.1 ; U1#14.3 95.05,170.33 95.05,174.27 U1#14.1 ; U1#36.1 72.85,136.07 72.85,132.13 U1#36.3 ; U1#8.1 50.65,97.87 50.65,93.93 U1#8.3 ; U1#19.3 95.05,17.53 95.05,21.47 U1#19.1 ; U1#25.3 72.85,170.33 72.85,174.27 U1#25.1 ; U1#3.3 72.85,17.53 72.85,21.47 U1#3.1 ; U1#9.1 161.65,21.47 161.65,17.53 U1#9.3 ; U1#7.3 50.65,17.53 50.65,21.47 U1#7.1 ; U1#15.3 117.25,93.93 117.25,97.87 U1#15.1 ; U1#37.3 95.05,132.13 95.05,136.07 U1#37.1 ; U1#10.3 28.45,55.73 28.45,59.67 U1#10.1 ; U1#32.3 50.65,132.13 50.65,136.07 U1#32.1 ; U1#26.3 161.65,132.13 161.65,136.07 U1#26.1 ; U1#4.3 72.85,55.73 72.85,59.67 U1#4.1 ; U1#18.1 28.45,97.87 28.45,93.93 U1#18.3 ; U1#12.1 6.25,136.07 6.25,132.13 U1#12.3 ; U1#20.1 161.65,59.67 161.65,55.73 U1#20.3 ; U1#6.1 139.45,59.67 139.45,55.73 U1#6.3 ; U1#27.3 28.45,170.33 28.45,174.27 U1#27.1 ; U1#24.1 117.25,136.07 117.25,132.13 U1#24.3
GND:
  vias: v1(4.15,172.15) v1(4.15,133.95) v1(4.15,95.75) v1(4.15,57.55) v1(4.15,19.35) v1(6.2,181.5) v1(6.2,143.3) v1(6.2,105.1) v1(6.2,66.9) v1(6.2,28.7) v1(8.6,189.5) v1(8.6,151.3) v1(8.6,113.1) v1(8.6,74.9) v1(8.6,36.7) v1(11.7,186.15) v1(11.7,147.95) v1(11.7,109.75) v1(11.7,71.55) v1(11.7,33.35) v1(13.4,191) v1(13.4,152.8) v1(13.4,114.6) v1(13.4,76.4) v1(13.4,38.2) v1(14.8,181.8) v1(14.8,143.6) v1(14.8,105.4) v1(14.8,67.2) v1(14.8,29) v1(20.8,194.3) v1(20.8,156.1) v1(20.8,117.9) v1(20.8,79.7) v1(20.8,41.5) v1(26.35,172.15) v1(26.35,133.95) v1(26.35,95.75) v1(26.35,57.55) v1(26.35,19.35) v1(28.4,181.5) v1(28.4,143.3) v1(28.4,105.1) v1(28.4,66.9) v1(28.4,28.7) v1(30.8,189.5) v1(30.8,151.3) v1(30.8,113.1) v1(30.8,74.9) v1(30.8,36.7) v1(33.9,186.15) v1(33.9,147.95) v1(33.9,109.75) v1(33.9,71.55) v1(33.9,33.35) v1(35.6,191) v1(35.6,152.8) v1(35.6,114.6) v1(35.6,76.4) v1(35.6,38.2) v1(37,181.8) v1(37,143.6) v1(37,105.4) v1(37,67.2) v1(37,29) v1(43,194.3) v1(43,156.1) v1(43,117.9) v1(43,79.7) v1(43,41.5) v1(48.55,172.15) v1(48.55,133.95) v1(48.55,95.75) v1(48.55,57.55) v1(48.55,19.35) v1(50.6,181.5) v1(50.6,143.3) v1(50.6,105.1) v1(50.6,66.9) v1(50.6,28.7) v1(53,189.5) v1(53,151.3) v1(53,113.1) v1(53,74.9) v1(53,36.7) v1(56.1,186.15) v1(56.1,147.95) v1(56.1,109.75) v1(56.1,71.55) v1(56.1,33.35) v1(57.8,191) v1(57.8,152.8) v1(57.8,114.6) v1(57.8,76.4) v1(57.8,38.2) v1(59.2,181.8) v1(59.2,143.6) v1(59.2,105.4) v1(59.2,67.2) v1(59.2,29) v1(65.2,194.3) v1(65.2,156.1) v1(65.2,117.9) v1(65.2,79.7) v1(65.2,41.5) v1(70.75,172.15) v1(70.75,133.95) v1(70.75,95.75) v1(70.75,57.55) v1(70.75,19.35) v1(72.8,181.5) v1(72.8,143.3) v1(72.8,105.1) v1(72.8,66.9) v1(72.8,28.7) v1(75.2,189.5) v1(75.2,151.3) v1(75.2,113.1) v1(75.2,74.9) v1(75.2,36.7) v1(78.3,186.15) v1(78.3,147.95) v1(78.3,109.75) v1(78.3,71.55) v1(78.3,33.35) v1(80,191) v1(80,152.8) v1(80,114.6) v1(80,76.4) v1(80,38.2) v1(81.4,181.8) v1(81.4,143.6) v1(81.4,105.4) v1(81.4,67.2) v1(81.4,29) v1(87.4,194.3) v1(87.4,156.1) v1(87.4,117.9) v1(87.4,79.7) v1(87.4,41.5) v1(92.95,172.15) v1(92.95,133.95) v1(92.95,95.75) v1(92.95,57.55) v1(92.95,19.35) v1(95,181.5) v1(95,143.3) v1(95,105.1) v1(95,66.9) v1(95,28.7) v1(97.4,189.5) v1(97.4,151.3) v1(97.4,113.1) v1(97.4,74.9) v1(97.4,36.7) v1(100.5,186.15) v1(100.5,147.95) v1(100.5,109.75) v1(100.5,71.55) v1(100.5,33.35) v1(102.2,191) v1(102.2,152.8) v1(102.2,114.6) v1(102.2,76.4) v1(102.2,38.2) v1(103.6,181.8) v1(103.6,143.6) v1(103.6,105.4) v1(103.6,67.2) v1(103.6,29) v1(109.6,194.3) v1(109.6,156.1) v1(109.6,117.9) v1(109.6,79.7) v1(109.6,41.5) v1(115.15,172.15) v1(115.15,133.95) v1(115.15,95.75) v1(115.15,57.55) v1(115.15,19.35) v1(117.2,181.5) v1(117.2,143.3) v1(117.2,105.1) v1(117.2,66.9) v1(117.2,28.7) v1(119.6,189.5) v1(119.6,151.3) v1(119.6,113.1) v1(119.6,74.9) v1(119.6,36.7) v1(122.7,186.15) v1(122.7,147.95) v1(122.7,109.75) v1(122.7,71.55) v1(122.7,33.35) v1(124.4,191) v1(124.4,152.8) v1(124.4,114.6) v1(124.4,76.4) v1(124.4,38.2) v1(125.8,181.8) v1(125.8,143.6) v1(125.8,105.4) v1(125.8,67.2) v1(125.8,29) v1(131.8,194.3) v1(131.8,156.1) v1(131.8,117.9) v1(131.8,79.7) v1(131.8,41.5) v1(137.35,172.15) v1(137.35,133.95) v1(137.35,95.75) v1(137.35,57.55) v1(137.35,19.35) v1(139.4,181.5) v1(139.4,143.3) v1(139.4,105.1) v1(139.4,66.9) v1(139.4,28.7) v1(141.8,189.5) v1(141.8,151.3) v1(141.8,113.1) v1(141.8,74.9) v1(141.8,36.7) v1(144.9,186.15) v1(144.9,147.95) v1(144.9,109.75) v1(144.9,71.55) v1(144.9,33.35) v1(146.6,191) v1(146.6,152.8) v1(146.6,114.6) v1(146.6,76.4) v1(146.6,38.2) v1(148,181.8) v1(148,143.6) v1(148,105.4) v1(148,67.2) v1(148,29) v1(154,194.3) v1(154,156.1) v1(154,117.9) v1(154,79.7) v1(154,41.5) v1(159.55,172.15) v1(159.55,133.95) v1(159.55,95.75) v1(159.55,57.55) v1(159.55,19.35) v1(161.6,181.5) v1(161.6,143.3) v1(161.6,105.1) v1(161.6,66.9) v1(161.6,28.7) v1(164,189.5) v1(164,151.3) v1(164,113.1) v1(164,74.9) v1(164,36.7) v1(167.1,186.15) v1(167.1,147.95) v1(167.1,109.75) v1(167.1,71.55) v1(167.1,33.35) v1(168.8,191) v1(168.8,152.8) v1(168.8,114.6) v1(168.8,76.4) v1(168.8,38.2) v1(170.2,181.8) v1(170.2,143.6) v1(170.2,105.4) v1(170.2,67.2) v1(170.2,29) v1(176.2,194.3) v1(176.2,156.1) v1(176.2,117.9) v1(176.2,79.7) v1(176.2,41.5)
